# Allegro board Single PMT Data AcquisitionV_3P3.brd (continued)
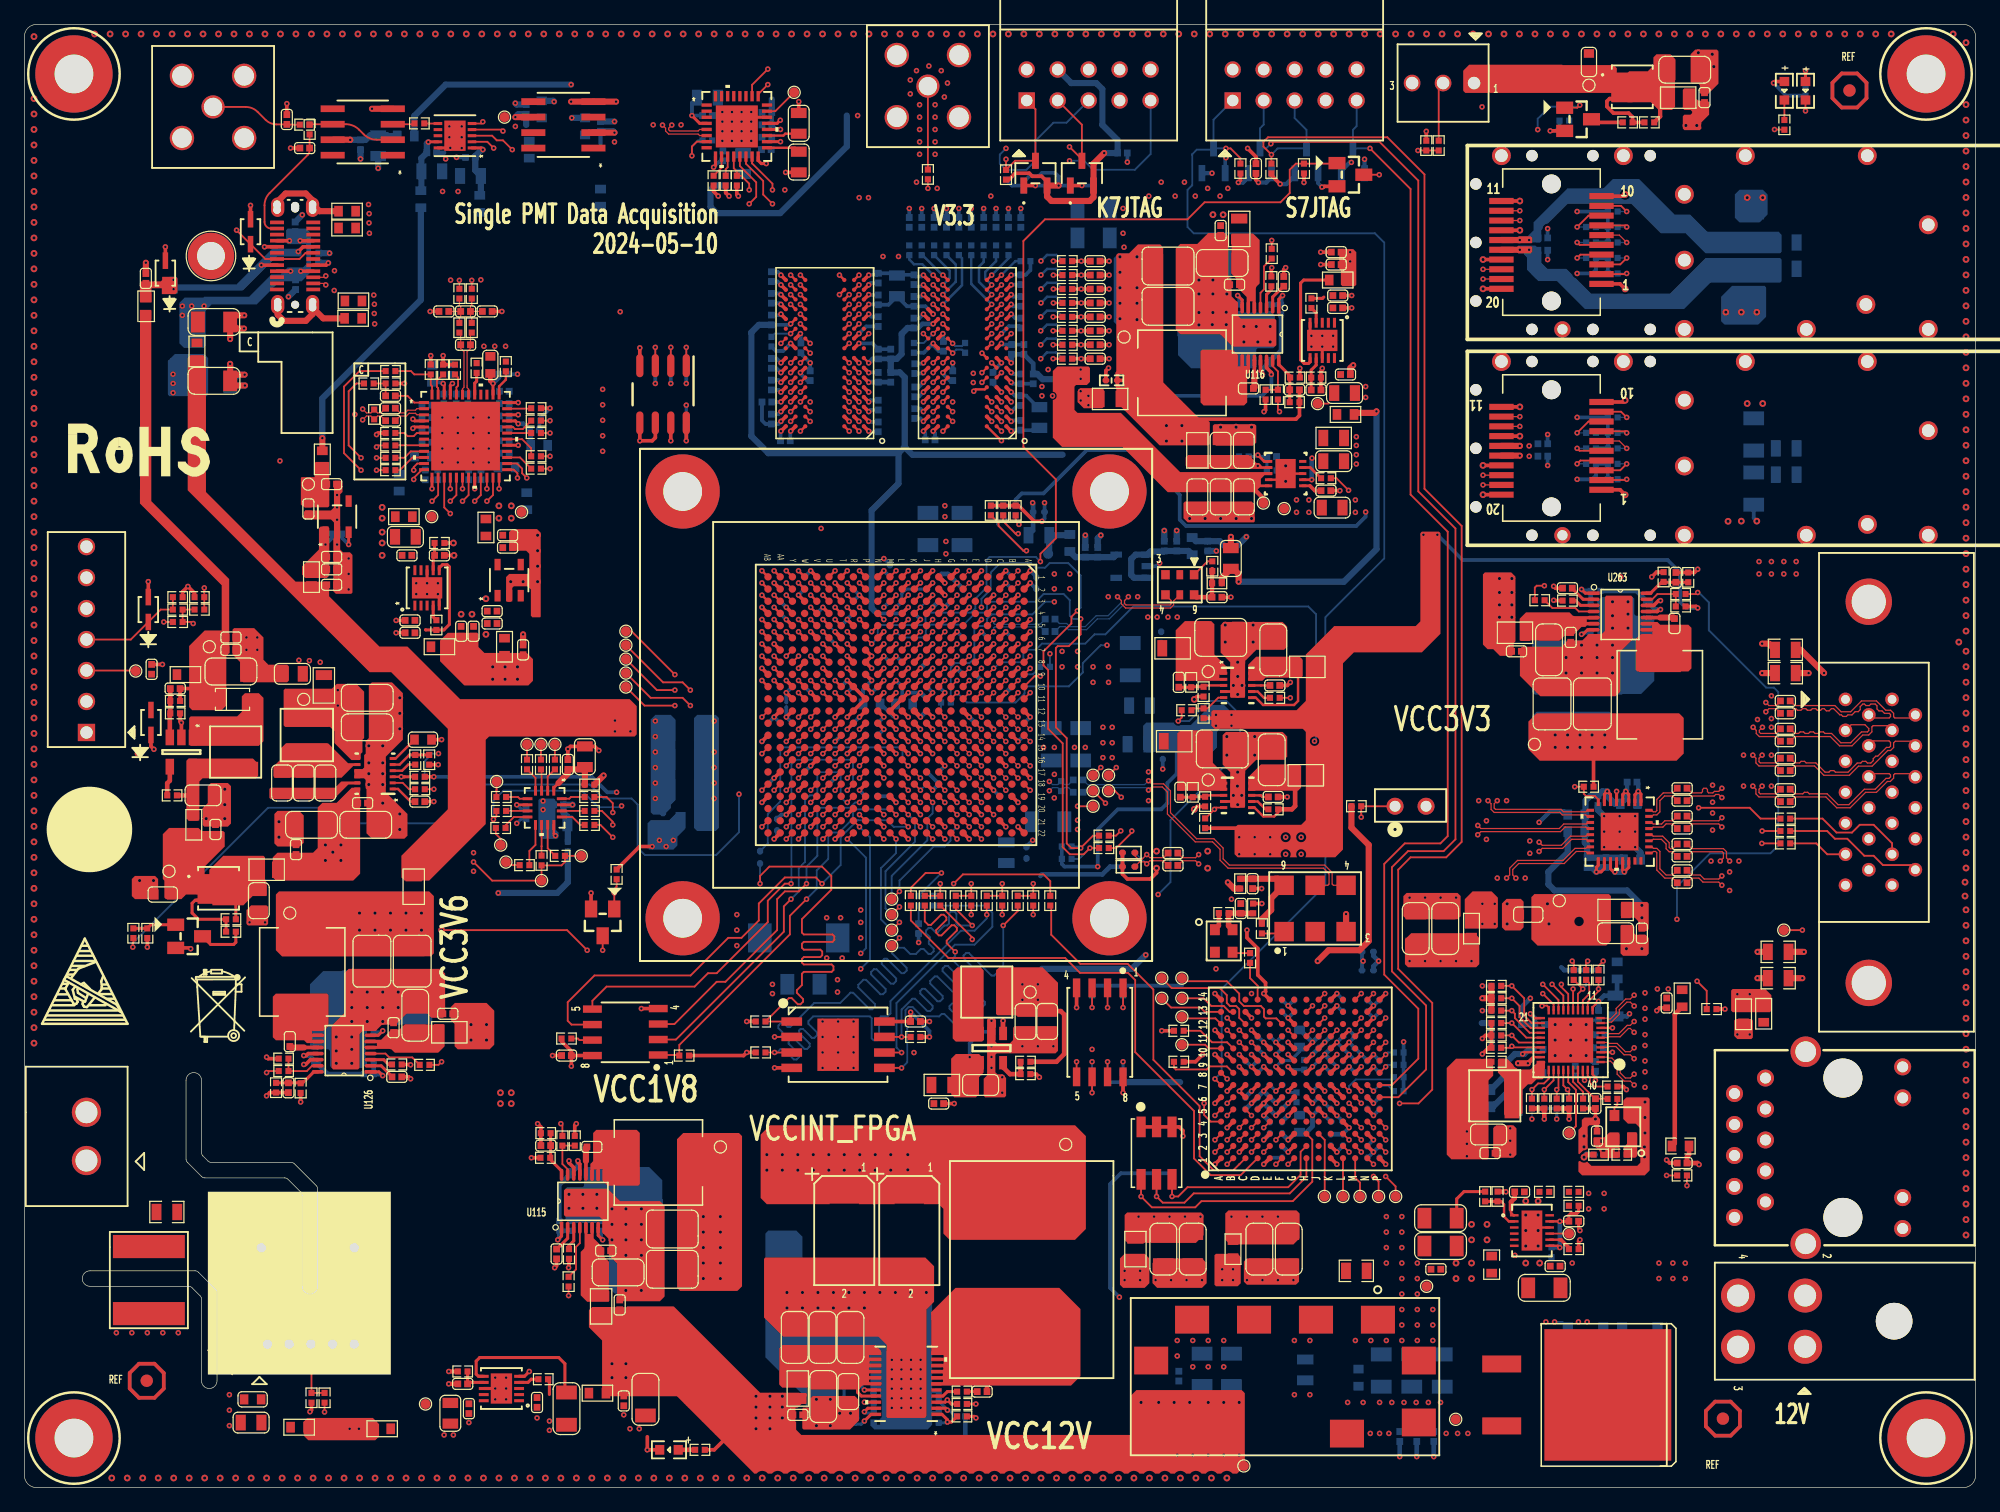
[diagram p0: board, top side]
## Routing (per net, layer and track width the routed paths; a pad name or vN(x,y) marks a point on that pad's centre or on a via; arc(x,y) is an arc through that point) (continued)
GND_EARTH:
  vias: v1(104.14,7.62) v1(105.41,7.62)
VCC1V5: length 32.3
  TOP w0.305: 96.01,87.76 96.14,87.63 104.27,87.63 104.56,87.92 R1072.2 C1192.2 ; U116.14 101.86,91.84 102.25,91.45 v1(102.25,91.29) ; C1186.1 90.3,90.81 ; C1186.1 89.62,91.4 89.66,91.44 ; C1186.1 89.62,90.34 89.79,90.17
  BOTTOM w0.305: C1193.1 92.46,96.8 92.46,90.17 93.09,89.53 101.47,89.53 102.25,90.31 v1(102.25,91.29)
  vias: v2(89.84,100.94) v2(89.84,99.67) v2(89.84,98.4) v2(89.84,97.13) v2(89.84,95.86) v2(91.23,100.94) v2(91.23,98.4) v2(91.23,97.13) v2(91.23,95.78) v2(93.65,87.1) v2(93.65,85.83) v2(94.92,87.1) v2(94.92,85.83)
VCC1V5_FPGA: length 72.6
  TOP w0.305: U76.N1 v1(80.92,97.04) ; U75.H2 v1(68.43,92.24) ; U76.A1 v1(80.92,86.64) ; U75.A8 v1(62.83,86.64) ; U1.W3 v1(63.48,73.19) ; U75.N1 v1(69.24,97.04) ; U1.T2 v1(66.48,74.19) ; U75.C1 v1(69.24,88.24) ; U75.K2 v1(68.44,94.64) ; U76.D9 v1(73.72,89.04) ; U75.D2 v1(68.44,89.04) ; U1.W13 v1(63.48,62.19) ; U75.G7 v1(63.63,91.44) ; U75.B2 v1(68.44,87.44) ; U76.N9 v1(74.52,96.24) ; U75.H9 v1(62.04,92.24) ; U1.U9 v1(65.48,67.19) ; U1.V6 v1(64.48,70.19) ; U76.G7 v1(75.32,91.44) ; U75.E9 v1(62.03,89.84) ; U76.K2 v1(80.12,94.64) ; U75.C9 v1(62.03,88.24) ; U1.M4 v1(71.48,72.19) ; U75.F1 v1(69.24,90.64) ; U76.C1 v1(80.92,88.24) ; U75.R9 v1(62.03,98.64) ; U76.A8 v1(74.52,86.64) ; U76.C9 v1(73.72,88.24) ; U1.Y10 v1(62.48,66.19) ; U1.T12 v1(66.48,63.19) ; U1.AA7 v1(61.48,69.19) ; U76.F1 v1(80.92,90.64) ; U76.H2 v1(80.12,92.24) ; U76.E9 v1(73.72,89.84) ; U76.B2 v1(80.12,87.44) ; U75.D9 v1(62.03,89.04) ; U75.K8 v1(63.63,94.64) ; U76.D2 v1(80.12,89.04) ; U1.R5 v1(67.48,71.19) ; U76.R9 v1(73.72,98.64) ; U76.H9 v1(73.72,92.24) ; U75.R1 v1(69.24,98.64) ; U75.A1 v1(69.24,86.64) ; U75.N9 v1(62.03,97.04) ; U1.N1 v1(70.48,75.19) ; U1.AB4 v1(60.48,72.19) ; U76.R1 v1(80.92,98.64) ; U76.K8 v1(75.32,94.64)
  BOTTOM w0.254: C516.1 71.95,73.34 72.29,73.69 73.96,73.69 R2142.1
  BOTTOM w0.305: v1(69.24,86.64) 69.28,86.59 70.02,86.59 C539.1 ; v1(68.44,94.64) 69.03,95.23 C531.1 ; v1(80.12,92.24) 79.42,91.55 C567.1 ; C540.1 69.37,88.37 v1(69.24,88.24) ; v1(74.52,96.24) 73.88,96.88 C570.1 72.37,96.88 C250.1 70.86,97.01 C542.1 69.99,97.04 v1(69.24,97.04) ; C564.1 80.94,98.66 v1(80.92,98.64) ; C532.1 61.68,92.6 v1(62.04,92.24) ; C544.1 C572.1 81.03,90.53 v1(80.92,90.64) ; v1(63.48,73.19) 63.98,73.69 C511.1 ; C561.1 73.65,92.17 v1(73.72,92.24) ; v1(63.63,94.64) 63.67,94.6 C528.1 ; v1(69.24,98.64) 69.38,98.79 70.02,98.79 ; C535.1 61.82,88.03 v1(62.03,88.24) ; C508.1 66.97,73.7 v1(66.48,74.19) ; v1(64.48,70.19) 64.97,69.7 C510.1 ; C569.1 81.43,88.75 v1(80.92,88.24) ; C556.1 75.36,94.6 v1(75.32,94.64) ; C536.1 61.85,90.02 v1(62.03,89.84) ; v1(73.72,88.24) 73.47,88.49 C559.1 ; v1(71.48,72.19) 71.95,72.66 C516.1 ; C534.1 64.2,90.79 63.63,91.35 v1(63.63,91.44) ; v1(62.03,98.64) 61.76,98.91 C538.1 ; v1(62.03,89.04) 62.02,89.03 C529.1 ; R2140.1 66.98,70.7 v1(67.48,71.19) 67.48,71.22 C514.1 ; v1(80.92,86.64) 81,86.72 C568.1 83.05,86.72 C566.1 ; C533.1 61.94,97.14 v1(62.03,97.04) ; v1(73.72,89.84) 73.34,89.46 C560.1 ; C557.1 75.89,90.79 75.32,91.35 v1(75.32,91.44) ; C565.1 81.56,95.25 80.73,95.25 v1(80.12,94.64) ; C530.1 62.8,86.61 v1(62.83,86.64) ; v1(80.92,97.04) 81.08,96.88 C562.1 ; v1(74.52,86.64) 74.67,86.49 C558.1 ; C571.1 73.07,98.53 73.61,98.53 v1(73.72,98.64) ; v1(70.48,75.19) 70.95,74.72 C515.1
  BOTTOM w0.381: v1(69.24,90.64) 69.25,90.66 71.04,90.66
  vias: v1(75.56,77.6) v1(75.56,76.58) v1(86.61,89.92) v1(86.61,89.15) v1(87.25,89.53) v1(87.25,88.77)
VCC1V5_PG: length 204.3
  TOP w0.152: R1884.1 v1(33.58,57.28) ; R1077.1 123.86,73.81 124.01,73.96 v1(124.64,73.96) ; v1(34.21,34.92) 33.96,34.67 R1140.1 ; v1(102.92,88.24) 102.79,88.37 R1075.1
  ART03 w0.102: v1(124.64,73.96) 124.64,73.99 122.43,76.2 108.58,76.2 106.81,77.98 106.81,82.3 103.65,85.45 103.65,87.5 v1(102.92,88.24) ; v1(33.58,57.28) 37.47,53.39 37.47,39.88 34.21,36.62 v1(34.21,34.92)
  ART06 w0.114: v1(33.58,57.28) 38.35,57.28 44.83,63.75 44.83,91.52 57.32,104.01 86.74,104.01 88.05,105.32 98.28,105.32 99.46,104.14 101.22,104.14 104.9,100.46 104.9,99.44 108.2,96.14 108.2,83.06 109.09,82.17 109.09,81.54 108.84,81.28 106.93,81.28 106.43,81.79 103.38,81.79 102.92,82.25 v1(102.92,88.24)
VCC1V8: length 298.7
  TOP w0.305: R496.1 v1(59.23,38.23) ; 97.58,63.12 97.56,63.1 R1112.1 ; C2494.1 v1(44.85,34.56) ; C2494.1 U273.8 ; C2494.1 44.85,35.8 44.05,36.59 R2153.1 ; v1(137.21,72.14) 137.08,72.27 R1076.1 ; v1(51.48,52.58) 50.45,52.58 R220.1 ; R498.1 v1(74.22,36.96) ; U79.8 v1(54.28,85.85) ; R395.1 v1(104.92,107.04) ; v1(19.86,35.31) 19.99,35.18 R1139.1 ; v1(44.65,26.8) 44.65,26.64 45.05,26.25 U115.14 ; v1(45.26,29.84) 45.13,29.72 R1058.1 ; R497.1 v1(59.23,35.69) 58.98,35.43 R2152.1 ; U7.8 72.67,38.22 C641.1 v1(72.67,38.99) ; D2.2 83.86,107.1 83.41,107.54 82.65,107.54 82.4,107.8 81.25,107.8 80.73,107.27 R456.1 ; R1100.1 105.06,54.08 105.58,54.61 ; R1074.1 101.77,88.37 v1(101.65,88.24) ; v1(42.08,29.84) 42.35,29.58 R1057.2 C1180.2 ; R1885.1 v1(33.58,58.29)
  TOP w0.508: v1(88.54,109.45) 87.67,108.57 D3.2 87.67,105.83 87.36,105.52 84.22,105.52 83.86,105.88 D2.2 v1(84.81,106.78)
  ART03 w0.305: v1(109.98,80.01) 113.41,80.01 ; v1(42.08,29.84) 37.97,29.84 35.48,32.33 22.48,32.33 21.26,31.11 19.27,31.11 18.97,31.42 18.97,34.42 v1(19.86,35.31)
  ART03 w0.508: v1(88.54,109.45) 90.86,111.76 104.78,111.76 106.05,110.49 106.05,108.16 v1(104.92,107.04)
  ART03 w1.016: v1(115.86,78.15) v1(114.72,78.15) 114.13,78.15 113.41,78.87 113.41,83.57 ; 113.41,83.57 113.41,83.69 114.81,85.09 114.81,101.47 111.89,104.39 105.81,104.39 104.92,105.28 v1(104.92,107.04) ; 113.41,83.57 113.28,83.57 109.22,87.63 108.2,87.63 106.3,89.53 102.94,89.53 v1(101.65,88.24)
  BOTTOM w0.305: v1(33.58,58.29) 46.53,58.29 47.8,57.02 v1(48.56,57.02) ; 94.49,60.71 94.49,58.55 93.73,57.78 93.73,56.13 93.22,55.63 89.66,55.63 88.01,53.98 v1(88.01,50.93) 85.29,50.93 85.07,51.14 R4.1 R42.1 ; R499.1 v1(54.28,90.55) ; v1(137.21,72.14) 136.27,72.14 135.76,72.64 135.76,75.06 134.75,76.07 117.94,76.07 v1(115.86,78.15) ; v1(109.98,80.01) 109.98,79.63 109.22,78.87 95.25,78.87 94.74,79.38 94.74,81.41 91.06,85.09 87.12,85.09 83.57,81.53 81.79,81.53 81.28,81.03 R340.2 R341.2 R342.2 ; v1(74.22,36.96) 74.22,37.45 v1(72.67,38.99) ; R500.1 v1(53.01,90.55) ; v1(89.79,15.62) 89.03,16.38 89.03,24.89 89.92,25.78 R2156.1 R2155.1 R2154.1 ; C642.1 v1(54.28,85.85) ; D5.2 v1(84.81,106.78) 84.81,107.52 84.51,107.82 83.44,107.82 83.19,107.57 82.42,107.57 81.95,107.1 D4.2 80.98,106.78 R456.1 ; R501.1 v1(51.74,90.55)
  BOTTOM w0.508: J1.4 85.84,115.19 87.88,115.19 88.39,114.68 88.39,111.76 89.64,110.51 C505.1 v1(88.54,109.45)
  vias: v1(52.07,53.09) v1(52.62,52.58) v1(53.21,53.09) v1(97.71,63.37) v1(97.71,62.48) v1(98.22,17.91) v1(98.22,17.02) v1(98.98,63.37) v1(98.98,62.48) v1(99.11,17.91) v1(99.11,17.02) v1(99.61,53.34) v1(99.61,51.94) v1(100.89,53.34) v1(100.89,51.94) v1(102.16,53.34) v1(102.16,51.94) v2(55.67,22.23) v2(55.67,20.95) v2(55.67,19.68) v2(55.67,18.41) v2(55.67,17.14) v2(57.07,22.23) v2(57.07,20.95) v2(57.07,19.68) v2(57.07,18.41) v2(57.07,17.14)
VCC1V8_A:
  vias: v2(29.34,80.39) v2(29.34,79.5)
VCC1V8_D:
  vias: v2(38.91,80.52) v2(38.91,79.5) v2(39.92,80.52) v2(39.92,79.5)
VCC1V8_FPGA: length 14.5
  TOP w0.305: U1.U19 v1(65.48,56.19) ; U1.P18 v1(68.48,57.19) ; U1.N21 v1(70.48,54.19) ; U1.V16 v1(64.48,59.19) ; U1.J7 v1(74.48,69.19) ; U1.F22 v1(77.48,53.19) ; U1.G19 v1(76.48,56.19) ; U1.T22 v1(66.48,53.19) ; U1.L17 v1(72.48,58.19) ; U1.N7 v1(70.48,69.19) ; U1.AB14 v1(60.48,61.19) ; U1.Y20 v1(62.48,55.19) ; U1.K20 v1(73.48,55.19) ; U1.AA17 v1(61.48,58.19)
  BOTTOM w0.305: v1(65.48,56.19) U1.U19 C409.1 ; v1(68.48,57.19) 68.97,56.7 C403.1 ; v1(64.48,59.19) 63.98,58.7 C2495.1 ; C401.1 60.98,61.69 v1(60.48,61.19) ; v1(62.48,55.19) 62.09,55.19 C408.1 ; v1(61.48,58.19) 60.98,57.7 C410.1
  vias: v1(56.56,62.87) v1(56.56,60.33) v1(56.56,59.05) v1(56.56,57.78) v1(56.56,56.52)
VCC1V8_PG: length 127
  TOP w0.152: v1(43.99,29.84) 44.12,29.72 R1060.1 ; R1067.1 v1(102.28,102.28)
  ART06 w0.114: v1(43.99,29.84) 43.99,51.61 44.32,51.94 44.32,53.98 43.56,54.74 43.56,61.47 45.34,63.25 45.34,91.52 57.32,103.5 101.06,103.5 v1(102.28,102.28)
VCC1V8_S_FPGA: length 17.5
  TOP w0.305: U88.F10 v1(102.63,36.52) ; U88.L9 v1(108.63,35.52) ; U88.N2 v1(110.63,27.52) ; U88.K10 v1(107.63,36.52) ; U88.K2 v1(107.63,27.52) ; U88.H10 v1(105.63,36.52) ; R788.2 96.03,34.92 v1(96.63,35.52) ; U88.G2 v1(103.63,27.52)
  BOTTOM w0.305: C795.1 110.15,27.05 v1(110.63,27.52) 111.1,27.99 C771.1 ; C792.1 108.12,28.02 v1(107.63,27.52) 107.12,28.02 C796.1 ; v1(108.63,35.52) 108.15,35.99 C772.1 108.12,36.02 v1(107.63,36.52) 108.13,37.02 C793.1 ; v1(108.63,35.52) 109.13,35.02 C794.1 ; v1(108.63,35.52) 108.13,35.02 C775.1 ; C773.1 103.1,36.99 v1(102.63,36.52) 102.15,36.99 C797.1
  BOTTOM w0.381: v1(103.63,27.52) 103.15,27.99 C776.1 ; C774.1 106.1,36.99 v1(105.63,36.52) 104.61,37.53 L40.2
  vias: v1(98.98,22.23) v1(100.25,22.23) v1(101.52,22.23) v1(102.79,22.23)
VCC2V5: length 55.8
  TOP w0.381: R1129.1 84.63,34.92 85.26,35.56 85.26,38.8 84.98,39.08 C1259.1
  TOP w0.508: v1(106.05,43.18) 106.93,44.07 109.47,44.07 110.24,44.83 110.24,52.7 108.82,54.12 R2120.1
  ART08 w0.508: v1(91.95,43.69) 92.46,43.18 v1(106.05,43.18)
  BOTTOM w0.381: 83.31,50.16 83.44,50.29 88.39,50.29 89.03,50.93 R2158.1 R2157.1
  BOTTOM w0.508: v1(91.95,43.69) 90.81,42.55 83.44,42.55
  vias: v1(81.83,41.27) v1(81.83,40.01) v1(83.11,41.27) v1(83.11,40.01)
VCC2V5_FPGA: length 6.4
  TOP w0.305: U1.B14 v1(81.48,61.19) ; U1.H16 v1(75.48,59.19) ; U1.C21 v1(80.48,54.19) ; U1.D18 v1(79.48,57.19) ; U1.E15 v1(78.48,60.19) ; U1.A17 v1(82.48,58.19)
  BOTTOM w0.305: C415.1 81.97,61.69 v1(81.48,61.19) ; C434.1 79.97,56.7 v1(79.48,57.19) ; v1(75.48,59.19) 74.98,58.69 C417.1
VCC3V3: length 90.7
  TOP w0.305: DS10.1 143.55,115.31 v1(143.43,115.19) ; R667.1 102.26,107.62 v1(102.97,106.91) ; 128.65,59.69 128.67,59.67 R2135.1 ; v1(100.3,109.83) 100.99,109.15 C799.1 ; v1(134.16,72.74) 134.01,72.74 133.61,72.35 U263.14 ; v1(99.54,107.04) 99.72,107.21 R668.1 ; U89.8 v1(90.09,32.38) ; R1928.1 v1(114.96,111.23) ; U88.M7 v1(109.63,32.52) ; L55.2 v1(101.47,47.9) ; v1(137.21,75.31) 136.95,75.05 R1085.2 C1207.2
  BOTTOM w0.305: R14.1 R392.1 ; R392.1 R13.1 R516.1 ; R392.1 R391.1 v1(127.32,104.65) ; v1(90.09,32.38) C798.1 R660.1 ; v1(143.43,115.19) 144.47,114.15 R87.1 ; v1(113.1,36.56) R787.1 R784.1 R785.1 R786.2 ; R2146.1 R2147.1 R2145.1 128.87,83 128.56,82.69 v1(127.32,82.69) ; v1(127.32,87.77) R2150.1 R2149.1 ; R659.1 R658.1 94.94,41.17 ; R2149.1 R2148.1 R2144.1 ; R2149.1 R2151.1 ; R11.1 R12.1 R517.1 128.87,99.88 128.56,99.57 v1(127.32,99.57)
  BOTTOM w0.356: D9.2 v1(97.38,107.8) ; D8.2 100.37,107.48 99.92,107.04 v1(99.54,107.04) ; D7.2 104.18,107.61 103.48,106.91 v1(102.97,106.91) ; v1(108.81,108.69) 108.69,108.69 107.99,107.99 D6.2
  BOTTOM w0.508: v1(100.2,77.98) 99.31,77.09 98.55,77.09 98.02,77.62 C2485.2 96.06,77.62 L288.1 ; 94.77,33.26 C798.1 ; v2(132.63,47.75) 131.42,48.97 125.48,48.97 124.97,49.48 124.97,50.5 126.55,52.08 L283.1 ; v1(38.86,48.77) 43.69,48.77 44.57,49.65 L48.1
  vias: v1(103.42,53.34) v1(103.42,51.94) v1(104.69,53.34) v1(104.69,51.94) v1(109.22,86.18) v1(109.22,85.47) v1(119.55,47.88) v1(119.55,46.23) v1(120.57,47.88) v1(120.57,46.23) v1(142.24,75.95) v1(142.24,74.93) v1(143.26,75.95) v1(143.26,74.93) v1(144.27,75.95) v1(144.27,74.93) v1(145.29,75.95) v1(145.29,74.93) v2(38.4,67.31) v2(38.4,66.29) v2(39.04,32.38) v2(39.04,31.5) v2(39.42,67.31) v2(39.42,66.29) v2(39.92,32.38) v2(39.92,31.5) v2(40.43,67.31) v2(40.43,66.29) v2(125.53,61.73) v2(125.53,60.71) v2(126.54,61.73) v2(126.54,60.71) v2(127.56,61.73) v2(127.56,60.71) v2(128.55,61.73) v2(128.55,60.71) v2(129.59,61.73) v2(129.59,60.71) v2(132.63,46.74)
VCC3V3_A: length 23.3
  TOP w0.508: L130.2 v1(24.43,86.07)
  BOTTOM w0.508: L280.1 32.51,97.41 24.43,89.33 v1(24.43,86.07)
VCC3V3_C: length 159.6
  TOP w0.254: v1(54.74,112.52) 55.38,111.88 U267.4 ; U267.20 v1(62,111.38)
  TOP w0.305: v1(57.78,105.92) 57.51,106.2 R2104.1
  TOP w0.508: L132.2 109.16,88.14 110.74,88.14 v1(110.87,88.27) ; L54.2 99.19,49.13 v1(98.68,49.64) ; L282.2 98.19,74.61 C2484.1 99.15,75.35 99.57,74.93 v1(99.57,74.3)
  ART03 w0.508: v1(110.87,88.27) 113.67,91.06 113.67,100.71 111.25,103.12 105.16,103.12 103.89,104.39 103.89,107.82 105.03,108.97 105.03,110.24 104.27,111 91.31,111 88.01,107.7 85.6,107.7 82.55,110.74 79.25,110.74 76.96,108.46 72.39,108.46 v1(68.33,112.52)
  ART06 w0.508: v1(99.57,74.3) 98.42,74.3 96.77,72.64 96.77,54.48 98.68,52.58 v1(98.68,49.64)
  BOTTOM w0.305: C2424.2 61.66,111.38 v1(62,111.38) ; C2425.2 v1(54.74,112.52) 54.74,113.57 C2422.1 ; v1(57.78,105.92) 57.53,106.17 L278.1
  BOTTOM w0.356: C2423.2 C2424.2
  BOTTOM w0.508: v1(110.87,88.27) 110.87,76.96 108.2,74.3 v1(99.57,74.3) ; 67.44,112.52 67.44,109.98 61.98,104.52 56.77,104.52 56.26,105.03 56.26,106.43 56.62,106.79 L278.1 ; 61.28,113.86 C2423.2
VCC3V3_FPGA: length 5
  TOP w0.381: U1.G9 v1(76.48,67.19) ; U1.F12 v1(77.48,63.19) ; U1.C11 v1(80.48,65.19) ; U1.D8 v1(79.48,68.19)
  BOTTOM w0.381: v1(80.48,65.19) 80.97,65.69 C440.1 ; v1(77.48,63.19) 77.97,62.7 C441.1 ; v1(76.48,67.19) 76.97,66.7 C438.1
  vias: v1(87.63,67.31) v1(87.63,66.04) v1(88.9,67.31) v1(88.9,66.04)
VCC3V3_PG: length 112.8
  TOP w0.152: v1(137.21,73.41) 137.08,73.28 R1078.1 ; U1.P16 v1(68.48,59.19)
  ART08 w0.102: v1(135.51,46.61) 134.11,45.21 119,45.21 117.72,46.48 106.68,46.48 106.17,46.99 99.06,46.99 95.71,50.34 86.17,50.34 81.65,54.86 80.9,54.86 78.99,56.77 78.31,56.77 78.08,56.99 78.08,58.57 77.85,58.8 74.35,58.8 73.79,59.36 73.48,59.36 73.18,59.66 70,59.66 69.53,59.19 v1(68.48,59.19)
  BOTTOM w0.152: v1(135.51,46.61) 135.51,49.3 138.23,52.02 143.18,52.02 143.81,52.65 143.81,65.25 143.46,65.61 142.82,65.61 138.13,70.31 138.13,72.59 137.31,73.41 v1(137.21,73.41)
VCC3V3_S_FPGA: length 12.1
  TOP w0.305: U88.N6 v1(110.63,31.52) ; U88.G13 v1(103.63,39.52) ; U88.N13 v1(110.63,39.52) ; U88.K13 v1(107.63,39.52) ; U88.N8 v1(110.63,34.52)
  BOTTOM w0.305: 104.13,39.99 104.1,39.99 v1(103.63,39.52) 103.15,39.99 103.13,39.99 ; C778.1 110.15,34.05 v1(110.63,34.52) 111.1,34.05 C785.1 ; C786.1 109.68,43.27 v1(109.78,43.18) 109.68,43.09 C788.1 ; 111.13,39.99 111.1,39.99 v1(110.63,39.52) 110.15,39.99 110.13,39.99 ; C781.1 111.1,31.99 v1(110.63,31.52) 110.15,31.99 C782.1 ; C790.1 107.15,39.04 v1(107.63,39.52) 108.1,39.04 C787.1
  vias: v1(113.58,43.18) v1(114.86,43.18) v1(116.12,43.18) v1(117.39,43.18) v1(118.67,43.18)
VCC3V3_SFPGA_ETH: length 22
  TOP w0.381: v1(124.63,30.23) R867.1 R850.1 ; v2(127.89,27.1) 128.1,27.3 L45.2 ; v1(126.67,30.23) R865.1 R866.1
  TOP w0.508: R862.1 v1(119.55,40.13) ; R862.1 R857.1 ; R862.1 R863.1
  ART03 w0.381: v2(127.89,27.1) 128.95,28.16 128.95,28.96 127.68,30.23 v1(126.67,30.23) 126.03,29.59 125.27,29.59 v1(124.63,30.23)
  BOTTOM w0.381: 126.03,42.67 126.27,42.44 R849.1 R851.1
  BOTTOM w0.508: R860.1 R861.1 R864.1 119.51,38.1 ; 128.78,27.3 128.1,27.3 v2(127.89,27.1)
  vias: v1(133.91,40.89) v1(134.79,40.89) v2(124.89,47.88) v2(125.02,46.23)
VCC3V3_SFPGA_ETH_TCT: length 11.8
  TOP w0.381: R833.2 135.33,28.24 135.33,38.82 L44.2
VCC3V6:
  vias: v1(48.43,62.91) v1(48.43,62.02) v1(49.7,62.02) v1(68.45,105.79) v1(69.22,105.79) v1(108.71,101.32) v1(108.71,100.56)
VCC3V6_PG: length 78.4
  TOP w0.152: v2(34.21,45.72) 44.5,45.72 v1(46.15,44.07) ; v1(19.86,34.04) 19.99,34.16 R1141.1 ; U1.R21 v1(68.48,54.19)
  ART03 w0.102: v1(68.58,42.55) 68.2,42.16 50.21,42.16 47.8,44.58 46.66,44.58 v1(46.15,44.07) ; v2(34.21,45.72) 34.21,37.85 29.31,32.94 21.66,32.94 20.34,31.62 19.48,31.62 19.35,31.75 19.35,33.53 v1(19.86,34.04)
  BOTTOM w0.152: v1(68.48,54.19) 69.34,53.33 69.34,43.31 v1(68.58,42.55)
VCC5V: length 16.6
  TOP w0.508: L47.1 v1(47.5,58.41)
  BOTTOM w0.508: L279.2 31.97,112.49 34.54,115.06 v1(44.83,115.06)
  vias: v1(26.67,4.83) v1(27.43,4.83)
VCC12V: length 4.1
  TOP w0.305: 57.53,4.06 56.57,3.1 R2050.1
  BOTTOM w0.381: R1045.1 77.16,3.83
  vias: v1(12.19,91.31) v1(12.19,90.55) v1(12.19,89.79) v2(24.68,52.7) v2(24.68,51.44) v2(25.29,52.11) v2(25.95,52.7) v2(25.95,51.44) v2(36.62,37.97) v2(36.62,36.7) v2(37.89,37.97) v2(37.89,36.7) v2(48.18,10.16) v2(48.18,9.02) v2(49.32,10.16) v2(49.32,9.02) v2(59.99,7.49) v2(59.99,6.6) v2(59.99,5.71) v2(59.99,4.83) v2(61.13,7.49) v2(61.13,6.6) v2(61.13,5.71) v2(61.13,4.83) v2(62.15,7.49) v2(62.15,6.6) v2(62.15,5.71) v2(91.57,6.99) v2(93.01,6.99) v2(94.28,6.99) v2(94.53,2.67) v2(95.55,6.99) v2(95.81,2.67) v2(97.08,6.99) v2(97.08,2.67) v2(97.46,104.4) v2(98.3,104.39) v2(98.34,6.99) v2(98.34,2.67) v2(99.61,6.99) v2(99.61,2.67) v2(120.95,74.55) v2(120.95,73.41) v2(120.95,72.39) v2(120.95,71.38) v2(121.97,74.55) v2(121.97,73.41) v2(121.97,72.39) v2(121.97,71.38) v2(136.25,111.71) v2(137.13,111.71)
VCC12V_FAN_EN: length 91.1
  TOP w0.152: U1.H8 v1(75.48,68.19)
  ART08 w0.102: v1(75.48,68.19) 75.48,68.49 76,69.01 76,69.44 76.17,69.62 76.86,69.62 77.93,70.69 77.93,71.3 78.31,71.69 80.6,71.69 80.98,72.06 80.98,72.29 81.27,72.59 81.64,72.59 81.72,72.67 81.99,72.67 82.51,73.19 84.62,73.19 84.96,73.53 84.96,73.91 85.34,74.3 86.97,74.3 87.23,74.56 89.66,74.56 92.7,77.6 95.89,77.6 97.31,79.02 114.05,79.02 114.71,79.68 122.96,79.68 123.55,80.27 123.55,84.13 123.93,84.51 123.93,85.53 123.55,85.91 123.55,88.45 122.15,89.85 122.15,96.58 123.17,97.59 123.17,100.39 123.93,101.15 123.93,107.46 124.44,107.97 124.44,109.79 124.09,110.13 v1(124.09,111.37)
  BOTTOM w0.152: v1(124.09,111.37) 124.09,112.26 125.08,113.25 R1197.2
VCC12V_IN: length 17.3
  TOP w0.254: C1149.1 117.45,23.68 118.05,24.28 R1040.1
  TOP w0.305: R1033.1 127.45,20.21 v1(127.56,20.32)
  ART03 w0.305: v2(119.94,20.32) 119.94,18.88 121.13,17.68 127.15,17.68 128.02,18.54 128.02,19.86 v1(127.56,20.32)
  vias: v1(108.5,6.99) v1(109.78,6.99) v1(110.36,4.45) v1(111.13,6.99) v1(111.12,4.45) v1(111.89,4.45) v1(112.13,6.99) v1(113.13,6.99) v1(114.13,6.99) v1(115.13,6.99) v1(116.12,6.99) v1(116.59,4.45) v1(117.52,4.45) v1(118.36,4.45) v2(117.39,18.41) v2(117.39,17.14) v2(118.67,21.59) v2(118.67,20.32) v2(118.67,18.41) v2(118.67,17.14) v2(119.94,21.59)
VCC12V_IN_CON:
  vias: v1(122.22,19.05) v1(126.92,18.41) v1(128.27,24.13) v1(128.27,22.86) v1(129.54,24.13) v1(129.54,22.86) v1(134.03,18.41) v1(134.03,17.14) v1(135.18,18.41) v1(135.18,17.14) v1(136.19,18.41) v1(136.19,17.14)
VCC15V: length 2
  TOP w0.305: 13.76,65.53 C2384.2 R2038.2
VCC15V_OUT: length 2.7
  TOP w0.3: v1(22.46,101.37) 22.85,101.76 J2.B5 ; v1(19.43,100.26) J2.A5
  vias: v1(12.23,99.05) v1(12.23,98.29)
VCC-3V_A: length 3.1
  TOP w0.305: J2.A8 v1(19.69,101.76) ; J2.B8 24.74,100.26 v1(24.92,100.44)
  BOTTOM w0.508: v1(24.92,100.44) C2967.2
  vias: v1(22.51,67.85) v1(23.37,67.82) v1(24.26,67.69)
VCC-3V_A_PG: length 56.5
  TOP w0.152: U1.R22 v1(67.48,53.19)
  ART03 w0.102: v1(33.96,60.2) 39.24,54.91 39.24,53.9 50.47,42.67 67.44,42.67 v1(68.58,43.81)
  BOTTOM w0.152: v1(33.96,60.2) 33.45,60.2 32.83,59.58 R1886.1 ; v1(68.58,43.81) 69.01,44.25 69.01,51.66 v1(67.48,53.19)
VCCAUX: length 10.8
  TOP w0.305: v1(69.48,67.19) U1.P8 v1(69.48,68.19) U1.P7 ; U1.M10 v1(71.48,66.19) ; U1.K10 v1(73.48,66.19) ; U1.R11 v1(67.48,65.19) ; U1.P10 v1(69.48,65.19) ; U1.P12 v1(68.48,63.19) ; U1.R9 v1(67.48,67.19)
  BOTTOM w0.305: C419.1 67.95,65.67 v1(67.48,65.19) ; C420.1 69.95,65.67 v1(69.48,65.19) ; C418.1 67.98,62.7 v1(68.48,63.19) ; L5.2 71.98,64.81 71.98,65.69 v1(71.48,66.19)
  vias: v1(88.44,62.36) v1(88.44,61.09) v1(88.44,59.87) v1(89.2,62.36) v1(89.2,61.09) v1(89.2,59.87)
VCCINT_FPGA: length 41.3
  TOP w0.254: v1(78.03,5.71) 77.9,5.84 R1047.2
  TOP w0.305: U1.J13 v1(74.48,62.19) ; U1.L15 v1(72.48,60.19) ; U1.N9 v1(70.48,67.19) ; U1.N13 v1(70.48,62.19) ; U1.J15 v1(74.48,60.19) ; U1.M14 v1(71.48,61.19) ; U1.K8 v1(73.48,68.19) ; U1.N15 v1(70.48,60.19) ; U1.R15 v1(67.48,60.19) ; U1.J9 v1(74.48,67.19) ; U1.K14 v1(73.48,61.19) ; U1.P14 v1(68.48,61.19) ; U1.M8 v1(71.48,68.19) ; U1.L13 v1(72.48,62.19) ; U1.L9 v1(72.48,67.19) ; U1.R13 v1(67.48,62.19) ; U1.J11 v1(74.48,65.19)
  ART03 w0.305: v2(72.44,26.06) 75.48,23.01 75.48,8.64 75.87,8.26 77.77,8.26 78.53,7.49 78.53,6.22 v1(78.03,5.71)
  BOTTOM w0.305: C166.1 70.01,61.72 v1(70.48,62.19) ; C165.1 69.98,66.69 v1(70.48,67.19) ; C494.1 71.95,67.72 v1(71.48,68.19) ; C155.1 68.98,61.69 v1(68.48,61.19) ; v1(74.48,65.19) 74.01,65.66 C153.1
  BOTTOM w0.381: C495.1 74.01,66.72 v1(74.48,67.19)
  vias: v1(58.42,46.99) v1(58.42,45.72) v1(58.42,44.45) v1(61.34,41.27) v1(61.34,40.51) v1(90.22,17.78) v1(90.22,17.02) v1(91.49,17.78) v1(91.49,17.02) v2(60.88,27.3) v2(60.88,26.04) v2(62.15,27.3) v2(62.15,26.04) v2(63.42,27.3) v2(63.42,26.04) v2(64.69,27.3) v2(64.69,26.04) v2(65.96,27.3) v2(65.96,26.04) v2(67.23,27.3) v2(67.23,26.04) v2(68.5,27.3) v2(68.5,26.04) v2(69.77,27.3) v2(69.77,26.04) v2(71.04,27.3) v2(71.04,26.04) v2(72.44,27.3)
VCCINT_FPGA_PG: length 44.7
  TOP w0.152: R1059.1 v1(44.62,15.75)
  TOP w0.254: R1041.2 76.01,6.86 v1(75.68,7.19) 75.5,7.01 U113.3
  ART03 w0.102: v1(75.68,7.19) 74.08,5.59 70.28,5.59 68.63,3.94 48.39,3.94 44.62,7.7 v1(44.62,15.75)
VCCINT_S_FPGA: length 22.1
  TOP w0.305: U88.E5 v1(101.63,30.52) ; U88.F6 v1(102.63,31.52) ; U88.D8 v1(100.63,34.52) ; U88.J5 v1(106.63,30.52) ; U88.K6 v1(107.63,31.52) ; U88.K8 v1(107.63,34.52) ; U88.G5 v1(103.63,30.52) ; U88.E7 v1(101.63,32.52) ; U88.E9 v1(101.63,35.52) ; U88.G9 v1(103.63,35.52) ; U88.D6 v1(100.62,31.52) ; U88.J9 v1(106.63,35.52) ; U88.H6 v1(105.63,31.52)
  BOTTOM w0.305: v1(107.63,31.52) 107.15,31.99 C753.1 ; v1(105.63,31.52) 106.1,31.99 C762.1 ; C760.1 101.12,36.02 v1(101.63,35.52) 102.13,35.01 C759.1 ; C768.1 100.15,34.99 v1(100.63,34.52) 101.1,34.99 C757.1 ; v1(107.63,34.52) 107.15,34.99 C761.1 ; v1(106.63,30.52) 107.12,30.02 C763.1
  BOTTOM w0.381: C758.1 107.12,36.02 v1(106.63,35.52) 107.13,35.02 C761.1 ; C754.1 100.15,31.05 v1(100.62,31.52) 101.1,31.99 C767.1 101.13,32.02 v1(101.63,32.52) 102.13,32.01 C769.1 102.15,31.99 v1(102.63,31.52) 103.1,31.99 C764.1 ; C756.1 103.13,30.02 v1(103.63,30.52) ; v1(101.63,30.52) 102.13,30.01 C755.1
  vias: v1(91.36,22.23) v1(92.63,22.23) v1(93.9,22.23) v1(95.17,22.23) v1(96.44,22.23)
AD5592_1_SPI_CLK: length 41.2
  TOP w0.152: v1(48.25,54.35) 48.25,54.6 47.36,55.49 R944.2 ; U1.D10 v1(79.48,66.19)
  ART08 w0.102: v1(48.25,54.35) 56.64,54.35 56.64,54.36 57.3,55.02 60.48,55.02 61.98,56.52 62.24,56.52 62.31,56.59 62.64,56.59 62.71,56.52 63.5,56.52 64.01,57.02 64.01,57.78 66.02,59.8 66.66,59.8 66.93,60.07 66.93,60.25 67.27,60.59 67.73,60.59 67.84,60.71 68.11,60.71 68.23,60.59 68.73,60.59 68.84,60.71 69.34,60.71 70.36,61.72 70.61,61.72 70.99,62.1 70.99,62.61 71.12,62.74 73.66,62.74 73.91,62.99 73.91,63.63 74.17,63.88 74.85,63.88 75.92,64.95 75.92,65.34 76.17,65.59 77.65,65.59 77.93,65.86 77.93,66.4 78.12,66.59 79.08,66.59 v1(79.48,66.19)
AD5592_1_SPI_CS_B: length 39.4
  TOP w0.152: v1(48.25,55.37) 48.25,56.13 47.74,56.64 R943.2 ; U1.F9 v1(77.48,67.19)
  ART08 w0.102: v1(48.25,55.37) 56.76,55.37 57.07,55.68 59.08,55.68 60.2,56.8 60.64,56.8 60.74,56.9 61.22,56.9 61.31,56.8 61.64,56.8 61.74,56.9 62.22,56.9 62.31,56.8 62.64,56.8 62.74,56.9 62.99,57.15 62.99,57.4 63.25,57.66 63.5,57.66 66.01,60.17 66.01,60.43 66.18,60.59 66.93,60.59 67.14,60.8 67.64,60.8 67.8,60.96 68.15,60.96 68.31,60.8 68.64,60.8 68.8,60.96 68.96,60.96 69.98,61.98 69.98,63.5 70.31,63.83 73.23,63.83 74.17,64.77 74.85,64.77 75.03,64.95 75.03,65.34 75.28,65.59 75.75,65.59 75.96,65.8 76.72,65.8 76.96,66.04 76.96,66.68 v1(77.48,67.19)
AD5592_1_SPI_MISO: length 48.5
  TOP w0.152: R946.2 38.7,55.05 v1(38.46,54.81) ; U1.G10 v1(76.48,66.19)
  ART08 w0.102: v1(76.48,66.19) 76.06,66.19 75.66,65.8 75.09,65.8 74.88,65.59 74.14,65.59 73.89,65.34 73.89,64.87 73.28,64.26 70.1,64.26 69.47,63.63 69.47,61.98 69.08,61.59 67.15,61.59 66.87,61.31 66.87,60.98 66.69,60.8 66.01,60.8 65.79,60.59 65.31,60.59 65.08,60.36 65.08,59.88 64.82,59.61 64.24,59.61 64.01,59.39 64.01,58.93 63.83,58.75 63.42,58.75 62.99,58.32 62.99,58.04 62.61,57.66 60.2,57.66 58.8,56.26 57.23,56.26 56.69,55.73 56.01,55.73 55.83,55.91 v1(48.97,55.91)
  BOTTOM w0.152: v1(38.46,54.81) 38.46,56.34 39.27,57.15 45.72,57.15 47.07,55.8 48.87,55.8 v1(48.97,55.91)
AD5592_1_SPI_MOSI: length 38.6
  TOP w0.152: v1(48.25,53.33) 47.23,54.35 R945.2 ; U1.F11 v1(77.48,65.19)
  ART08 w0.102: v1(77.48,65.19) 77.03,64.74 76.33,64.74 75.06,63.47 75.06,63.02 74.65,62.61 74.17,62.61 74.04,62.48 74.04,61.98 73.79,61.72 72.26,61.72 72.01,61.47 72.01,60.96 71.75,60.71 69.98,60.71 68.96,59.69 66.84,59.69 66.74,59.59 66.19,59.59 64.9,58.29 64.9,57.02 64.67,56.8 64.27,56.8 63.27,55.8 62.31,55.8 62.1,56.01 61.98,56.01 60.58,54.61 57.68,54.61 56.72,53.64 51.1,53.64 50.79,53.33 v1(48.25,53.33)
AD9265_CLK_N: length 47.2
  TOP w0.102: v1(27.74,87.57) 28.06,87.88 28.41,87.88 28.68,87.61 28.96,87.88 29.24,87.88 29.62,87.5 C911.1 ; v1(53.09,111.74) 52.83,111.49 52.83,111.36 52.93,111.26 55.25,111.26 55.37,111.38 U267.5
  ART06 w0.102: v1(27.74,87.57) 28.03,87.86 28.34,87.86 28.75,88.27 38.48,88.27 40.36,90.14 41.25,90.14 52.91,101.8 52.91,111.56 v1(53.09,111.74)
AD9265_CLK_P: length 47.3
  TOP w0.102: C910.1 29.62,88.52 29.24,88.14 28.96,88.14 R982.2 28.41,88.14 28.06,88.14 v1(27.74,88.46) ; U267.6 55.37,110.88 55.25,111.01 52.83,111.01 52.58,111.26 52.58,111.49 v1(52.32,111.74)
  ART06 w0.102: v1(52.32,111.74) 52.5,111.56 52.5,101.97 41.08,90.55 40.19,90.55 38.31,88.67 31.6,88.67 31.37,88.9 30.99,88.9 30.73,88.65 30.48,88.65 30.23,88.9 29.96,88.9 29.73,88.67 28.58,88.67 28.17,88.27 27.93,88.27 v1(27.74,88.46)